# Allegro board HI3516APERB_VER_B_PCB.brd (continued)
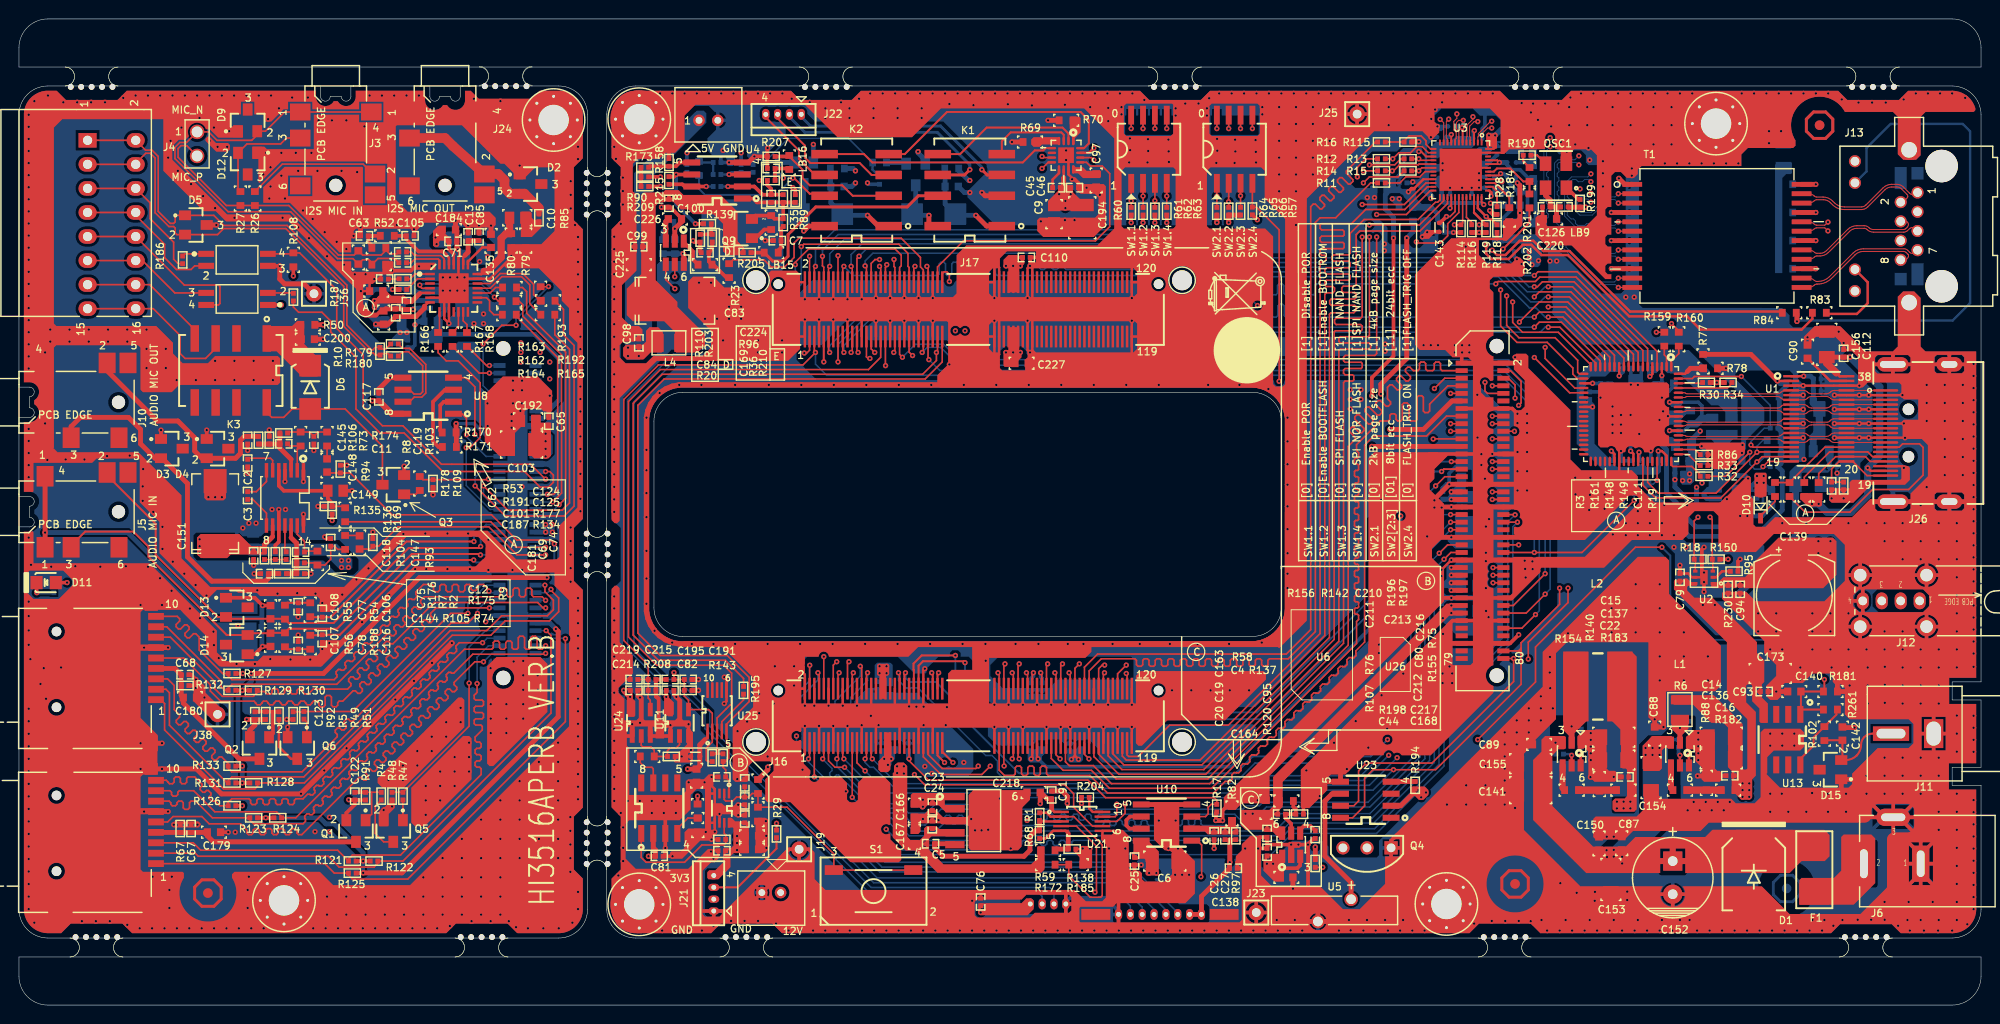
[diagram p0: board, top side]
## Copper pours and planes (outline as drawn; the poured copper is in the pictures) (continued)
3V3 on TOP (solid shape): 133.48,13.05 132.46,13.05 131.32,14.19 131.32,15.33 132.08,15.33 132.08,15.72 131.7,15.72 131.7,15.33 131.32,15.33 131.44,15.46 131.44,15.97 133.48,15.97
3V3 on TOP (solid shape): 91.95,26.26 92.08,26.26 92.2,26.13 92.2,25.88 91.95,25.62 91.95,24.86 91.69,24.61 90.93,24.61 90.68,24.86 90.68,25.75 91.19,26.26 91.31,26.26 91.31,28.8 91.95,28.8
3V3 on TOP (solid shape): 148.72,22.7 148.72,22.19 148.21,21.68 147.7,21.68 147.32,22.07 147.19,22.07 146.81,22.45 147.7,22.45 147.7,22.83 147.32,22.83 147.32,22.45 146.81,22.45 146.81,22.95 146.94,23.08 148.34,23.08
3V3 on TOP (solid shape): 107.06,11.02 107.06,10.13 106.43,9.49 101.47,9.49 101.22,9.75 101.22,10.13 101.85,10.13 101.85,10.51 101.47,10.51 101.47,10.13 101.22,10.13 101.22,10.51 101.45,10.74 102.03,10.74 102.03,10.76 105.79,10.76 106.3,11.27 106.81,11.27
3V3 on TOP (solid shape): 64.74,33.39 64.74,32.76 64.77,32.73 64.77,32.35 65.02,32.1 65.02,30.57 64.9,30.45 64.26,30.45 64.14,30.57 64.14,32.48 63.75,32.86 64.52,32.86 64.52,33.24 64.14,33.24 64.14,32.86 63.75,32.86 63.63,32.99 63.63,33.37 63.75,33.5 64.64,33.5
3V3 on TOP (solid shape): 170.69,36.8 170.69,20.67 170.43,20.41 168.4,20.41 168.15,20.67 168.15,21.56 168.4,21.81 169.42,21.81 169.67,22.07 169.67,23.72 170.31,23.72 170.31,24.48 169.93,24.48 169.93,23.72 169.67,23.72 169.67,24.86 169.54,24.99 169.21,24.99 169.16,25.04 169.04,25.04 169.04,29.05 167.64,30.45 167.64,37.05 167.89,37.31 170.18,37.31
3V3 on TOP (solid shape): 120.27,16.22 120.27,13.81 120.14,13.68 119,13.68 118.87,13.81 118.87,14.44 118.89,14.46 118.93,14.52 118.96,14.58 118.98,14.64 118.99,14.7 119,14.77 119,14.83 118.99,14.9 118.98,14.96 118.96,15.03 118.93,15.09 118.89,15.14 118.87,15.17 118.87,15.33 118.75,15.46 118.16,15.46 118.06,15.36 117.55,15.36 117.45,15.46 117.45,15.72 118.11,15.72 118.11,15.97 117.73,15.97 117.73,15.72 117.45,15.72 117.45,16.07 117.6,16.22 117.6,17.62 118.87,17.62
3V3 on TOP (solid shape): 75.56,19.4 76.83,19.4 77.01,19.22 77.01,16.2 76.86,16.05 75.4,16.05 75.07,15.72 75.07,14.56 73.79,13.28 72.77,13.28 72.63,13.42 72.63,14.03 72.85,14.24 73.48,14.24 74.32,15.08 74.32,16.22 74.55,16.22 74.55,15.97 74.93,15.97 74.93,16.35 74.68,16.35 74.68,16.22 74.32,16.22 74.32,16.52 74.51,16.52 74.54,16.55 75.11,16.55 75.39,16.83 75.39,18.69 75.31,18.76 74.85,18.76 74.85,18.89 76.71,18.89 76.71,19.14 76.2,19.14 76.2,18.89 74.85,18.89 74.85,19.78 75.18,19.78
3V3 on BOTTOM (solid shape): 160.53,81.12 160.53,78.2 160.27,77.95 159.51,77.95 159.13,78.33 159.13,79.98 158.62,80.49 155.45,80.49 155.45,81.37 160.27,81.37
3V3 on BOTTOM (solid shape): 176.78,57.5 176.78,55.34 176.4,54.96 175.51,54.96 175.39,55.09 175.39,56.36 175.77,56.36 175.9,56.48 175.9,57.88 176.4,57.88
3V3 on BOTTOM (solid shape): 92.71,26.76 92.46,26.51 92.46,26 92.08,25.62 92.08,25.37 91.82,25.11 91.57,25.11 90.81,25.88 90.81,26.89 90.93,27.02 91.57,27.02 91.82,27.27 92.71,27.27
3V3 on BOTTOM (solid shape): 184.28,55.21 184.66,54.83 185.29,54.83 185.29,54.2 180.72,54.2 180.72,54.45 183.77,54.45 183.77,54.7 183.51,54.7 183.51,54.45 183.26,54.45 183.26,54.7 183.01,54.7 183.01,54.45 180.72,54.45 180.72,54.83 180.85,54.96 182.63,54.96 183.13,55.47 183.13,55.97 183.26,56.1 184.28,56.1
3V3 on BOTTOM (solid shape): 153.92,45.94 153.16,45.94 152.65,45.43 152.65,43.78 152.53,43.66 151.13,43.66 150.72,44.06 149.91,44.06 149.86,44.11 149.86,44.65 150.25,44.65 150.62,45.03 150.62,45.92 150.63,45.97 150.62,46.02 150.62,46.35 150.75,46.48 151.05,46.48 151.1,46.47 151.16,46.47 151.4,46.47 151.76,46.83 153.92,46.83
3V3 on POWER5: 68.71,8.61 68.45,8.86 68.45,11.78 66.67,13.56 64.29,13.56 63.91,13.94 63.91,20.23 63.55,20.59 63.55,44.13 63.92,44.5 63.92,50.7 63.55,51.07 63.55,82.17 63.95,82.57 63.95,88.86 63.55,89.26 63.55,91.07 64.14,91.66 66.29,91.66 67.44,92.8 67.44,94.91 68.07,95.55 81.54,95.55 82,95.09 88.35,95.09 88.81,95.55 118.5,95.55 118.95,95.09 125.18,95.09 125.64,95.55 150.96,95.55 151.24,95.82 157.5,95.82 158.23,95.09 162.06,95.09 162.52,95.55 169.22,95.55 169.93,94.84 169.93,73.59 170.9,72.61 183.48,72.61 183.49,72.6 189.81,72.6 194.4,68.01 194.44,68.01 195.94,66.52 204.34,66.52 205.51,65.35 205.51,10.13 205.06,9.05 203.98,8.61 198.33,8.61 197.95,8.98 191.65,8.98 191.27,8.61 160.23,8.61 159.85,8.98 153.55,8.98 153.17,8.61 125.6,8.61 125.6,10 124.97,10.64 115.7,10.64 115.06,10 115.06,8.61 80.22,8.61 79.84,8.98 73.54,8.98 73.16,8.61 ; 6 cut-outs
3V3_1V8_RGMII_IO on BOTTOM (solid shape): 108.33,26.64 107.95,26.26 107.95,25.88 107.7,25.62 106.68,25.62 106.43,25.88 106.43,26.89 106.55,27.02 107.31,27.02 107.57,27.27 108.33,27.27
3V3_1V8_RGMII_IO on BOTTOM (solid shape): 148.08,90.39 148.08,90.14 147.96,90.01 146.43,90.01 146.3,89.88 146.3,87.72 145.8,87.22 145.8,86.33 145.92,86.2 147.19,86.2 147.45,85.95 147.45,85.18 148.03,84.6 148.92,84.6 149,84.52 149,83.99 148.92,83.91 146.69,83.91 146.69,84.78 146.16,85.31 146.15,85.34 146.12,85.4 146.09,85.46 146.05,85.51 146,85.56 145.94,85.6 145.88,85.64 145.82,85.66 145.79,85.67 145.72,85.74 143.99,85.74 143.99,86.45 145.54,86.45 145.54,86.71 145.29,86.71 145.29,86.45 143.99,86.45 143.99,86.84 143.87,86.96 145.54,86.96 145.54,87.22 145.29,87.22 145.29,86.96 143.13,86.96 143,87.09 143,87.34 143.13,87.47 145.16,87.47 145.41,87.72 146.05,87.72 146.05,87.98 145.8,87.98 145.8,87.72 145.41,87.72 145.54,87.85 145.54,88.23 146.05,88.23 146.05,88.49 145.8,88.49 145.8,88.23 145.54,88.23 145.54,88.99 146.05,88.99 146.05,89.25 145.8,89.25 145.8,88.99 145.54,88.99 145.54,89.5 146.05,89.5 146.05,89.76 145.8,89.76 145.8,89.5 145.54,89.5 145.54,90.01 146.05,90.52 147.96,90.52
3V3_C on TOP (solid shape): 55.04,61.51 55.35,61.51 56.01,61.51 56.01,61.44 56.13,61.31 56.13,58.01 55.88,57.75 54.36,57.75 54.1,58.01 54.05,58.01 54.05,62.35 55.04,62.35
3V3_C on BOTTOM (solid shape): 40.89,71.6 41.27,71.21 41.27,70.07 40.51,70.07 40.13,69.69 39.37,69.69 39.37,70.45 39.88,70.96 39.88,72.74 40.89,72.74
3V3_C on BOTTOM (solid shape): 56.31,60.17 56.31,58.21 55.91,57.8 53.87,57.8 53.87,58.21 55.14,58.21 55.14,58.49 53.87,58.49 53.87,59 55.14,59 55.14,59.3 53.87,59.3 53.87,59.81 55.14,59.81 55.14,60.09 53.87,60.09 53.87,60.55 55.93,60.55
3V3_C on BOTTOM (solid shape): 47.75,81.5 47.75,81.12 48.01,80.87 48.9,80.87 49.78,79.98 49.78,78.45 49.53,78.2 48.51,78.2 48.26,78.45 48.26,79.85 47.62,80.49 46.99,80.49 46.86,80.61 46.86,81.37 47.12,81.63 47.62,81.63
3V3_C on POWER5: 3.06,8.61 1.98,9.06 1.54,10.14 1.54,94.03 1.98,95.11 3.06,95.55 4.01,95.55 4.47,95.09 10.75,95.09 11.22,95.55 41.83,95.55 42.49,94.07 44.02,93.54 44.51,93.63 44.96,93.85 45.41,93.63 45.89,93.54 47.25,93.92 48.03,95.09 52.7,95.09 52.96,94.84 52.96,92.42 55.12,90.26 57.78,90.26 58.04,90.01 58.04,88.74 58.09,88.74 58.09,82.62 58.48,82.23 58.48,51.05 58.08,50.65 58.08,44.5 58.48,44.1 58.48,20.61 58.05,20.19 58.05,13.99 58.48,13.56 58.48,10.14 58.03,9.06 56.96,8.61 52.28,8.61 51.91,8.98 45.6,8.98 45.23,8.61 32.26,8.61 30.97,9.9 30.97,11.02 27.84,14.06 24.97,10.76 24.97,10.09 23.5,8.61 11.64,8.61 11.27,8.98 4.96,8.98 4.59,8.61
3V3A_AK7756EN on TOP (solid shape): 44.96,81.5 45.59,80.87 45.59,80.49 45.47,80.36 45.21,80.36 44.83,80.74 44.45,80.74 44.32,80.61 44.32,80.23 44.2,80.1 43.81,80.1 43.69,80.23 43.69,81.76 44.2,82.26 44.96,82.26
3V3A_AK7756EN on BOTTOM (solid shape): 45.97,81.37 45.97,80.36 45.59,79.98 43.94,79.98 43.69,80.23 43.69,81.12 43.94,81.37 44.83,81.37 45.09,81.63 45.72,81.63
5V0 on TOP (solid shape): 67.94,71.09 67.94,69.06 67.82,68.93 66.65,68.93 65.9,68.18 64.12,68.18 63.75,68.55 63.75,69.44 64.05,69.74 65.02,69.74 65.02,69.06 65.79,69.06 65.79,69.74 65.84,69.74 66.17,70.07 66.17,71.21 66.55,71.6 67.44,71.6
5V0 on TOP (solid shape): 99.77,21.66 97.69,21.66 97.69,21.1 99.77,21.1 99.77,20.36 97.79,20.36 97.05,21.1 95.86,21.1 95.43,20.67 95.2,20.67 95.01,20.86 94.17,20.86 94.11,20.92 94.11,21.43 96.77,21.43 96.77,21.68 96.52,21.68 96.52,21.43 96.27,21.43 96.27,21.68 96.01,21.68 96.01,21.43 94.11,21.43 94.11,22.19 94.31,22.4 99.77,22.4
5V0 on TOP (solid shape): 176.4,44.67 177.04,44.67 177.04,44.29 176.15,44.29 176.02,44.16 176.02,43.78 176.78,43.02 178.69,43.02 183.39,38.32 183.39,37.18 184.15,36.42 184.15,34.13 183.9,33.88 183.9,33.5 183.26,33.5 183.26,32.73 183.9,32.73 183.9,32.48 184.53,31.84 184.53,29.81 183.77,29.81 183.64,29.94 183.64,31.33 182.88,32.1 182.88,33.75 182.75,33.88 182.37,33.88 182.25,33.75 182.25,31.97 183.26,30.96 183.26,24.22 182.88,23.84 182.88,21.94 182.63,21.68 181.74,21.68 181.1,22.32 180.72,22.32 180.72,23.84 181.23,23.84 181.23,24.1 180.97,24.1 180.97,23.84 180.72,23.84 180.72,24.35 181.23,24.35 181.23,24.61 180.97,24.61 180.97,24.35 180.72,24.35 180.72,24.73 180.34,25.11 180.34,29.3 179.83,29.81 178.56,29.81 176.66,31.72 174.62,31.72 174.37,31.97 174.37,32.61 174.5,32.73 178.82,32.73 181.86,29.69 181.86,24.99 181.99,24.86 182.25,24.86 182.37,24.99 182.37,30.19 180.21,32.35 180.21,38.32 174.62,43.91 174.62,44.8 174.75,44.93 174.88,44.93 174.88,44.29 175.64,44.29 175.64,45.05 176.02,45.05
5V0 on BOTTOM (solid shape): 72.52,94.2 72.52,93.18 66.81,87.47 66.81,69.44 65.53,68.17 64.14,68.17 63.94,68.36 63.94,78.78 64.89,79.73 64.89,87.85 71.5,94.46 72.25,94.46
5V0 on BOTTOM (solid shape): 191.26,56.61 190.88,56.23 188.21,56.23 188.09,56.1 188.09,54.32 187.96,54.2 186.82,54.2 186.82,56.36 186.94,56.48 190.88,56.48 190.88,56.86 190.63,56.86 190.63,56.48 186.94,56.48 187.5,57.04 191.26,57.04
5V0 on BOTTOM (solid shape): 152.65,54.32 152.78,54.2 154.05,54.2 154.05,53.18 153.92,53.05 151.42,53.05 151.26,53.12 151.08,53.13 151.05,53.16 149.99,53.16 149.99,53.69 150.75,53.69 150.88,53.82 150.88,54.41 150.89,54.45 150.94,54.47 151.09,54.5 151.23,54.57 151.24,54.58 151.38,54.58 151.76,54.96 151.76,56.1 152.65,56.1
5V0 on ART04 (solid shape): outline of 1513 points within 63.5,14.19 183.77,70.2
5V0_C on BOTTOM (solid shape): 22.35,48.74 33.53,48.74 35.18,47.08 35.18,46.2 34.92,45.94 33.91,45.94 32.38,47.47 24.26,47.47 24,47.72 21.72,47.72 21.34,48.1 21.34,48.86 21.46,48.99 22.1,48.99
5V0_C on ART03 (solid shape): 56.64,50.77 56.64,49.75 56.52,49.62 55.24,49.62 54.48,50.39 40.39,50.39 35.94,45.94 33.91,45.94 33.76,46.09 33.76,47.08 35.46,48.79 37.01,48.79 40.32,52.1 55.31,52.1
5V0_HDMI on TOP (solid shape): 190.25,53.94 190.25,52.8 190.12,52.67 188.72,52.67 187.96,53.43 187.96,53.94 188.09,54.07 190.12,54.07
5V0_USB on TOP (solid shape): 191.77,48.99 191.77,45.43 190.37,44.04 181.99,44.04 181.99,44.8 181.23,44.8 181.23,44.04 180.72,44.04 180.72,44.8 179.96,44.8 179.96,44.04 178.69,44.04 178.56,44.16 178.56,44.67 179.32,44.67 179.83,45.18 182.12,45.18 182.63,45.69 182.63,46.32 185.67,49.37 191.39,49.37
5V0_USB on ART03 (solid shape): 201.42,43.28 201.42,42 201.22,41.8 200,41.8 199.65,42.14 199.65,42.75 195.06,47.34 189.48,47.34 189.23,47.59 189.23,49.12 189.61,49.5 195.21,49.5
12V0 on TOP (solid shape): 174.62,28.16 174.62,27.4 174.37,27.15 173.61,27.15 173.35,26.89 173.35,24.99 173.1,24.73 171.58,24.73 171.32,24.99 171.32,27.4 172.34,28.42 174.37,28.42
12V0 on TOP (solid shape): 163.19,28.29 163.19,27.15 163.07,27.02 162.43,27.02 161.8,26.38 161.8,21.02 166.09,16.73 169.54,16.73 170.56,17.75 177.93,17.75 178.69,18.51 181.74,18.51 187.18,18.51 187.19,18.5 190.49,18.5 191.01,17.99 191.01,15.69 190.53,15.21 188.09,15.21 186.82,13.94 183.39,13.94 183.38,13.95 183.36,13.94 175.82,13.94 175.82,16.53 173.18,16.53 173.18,13.94 165.38,13.94 159.77,19.55 159.77,25.88 160.66,26.76 160.66,28.03 161.04,28.42 163.07,28.42
12V0 on BOTTOM (solid shape): 173.99,27.27 173.99,19.14 169.54,14.7 167.39,14.7 167.13,14.95 167.13,16.48 167.39,16.73 168.15,16.73 171.32,19.91 171.32,27.27 171.58,27.53 173.74,27.53
12V0 on ART04 (solid shape): 169.54,16.35 169.54,14.95 169.29,14.7 148.84,14.7 146.18,12.03 140.88,12.03 140.87,12.04 140.56,12.09 140.25,12.04 140.24,12.03 136.65,12.03 135.76,12.92 134.24,12.92 132.97,11.65 114.18,11.65 114.09,11.7 114.06,11.81 113.54,12.45 113.02,11.81 112.99,11.7 112.89,11.65 81.69,11.65 81.28,11.25 80.09,11.25 79.78,11.55 79.78,12.21 81,13.43 119.09,13.43 119.1,13.43 119.25,13.4 119.41,13.43 119.42,13.43 119.85,13.43 119.86,13.43 120.02,13.4 120.17,13.43 120.18,13.43 121.58,13.43 121.96,13.23 122.36,13.37 122.73,13.23 123.1,13.37 123.51,13.23 123.89,13.43 124.19,13.43 124.21,13.39 124.71,13.02 125.22,13.39 125.23,13.43 132.21,13.43 133.48,14.7 136.53,14.7 137.41,13.81 144.78,13.81 147.57,16.6 169.29,16.6
DVDD3318_SENSOR on TOP (solid shape): 91.82,35.91 91.82,35.02 91.67,34.87 91.49,34.87 91.49,32.35 90.81,32.35 90.81,34.77 90.55,35.02 90.55,35.91 90.68,36.04 91.69,36.04
DVDD3318_SENSOR on TOP (solid shape): 93.73,25.24 93.73,17.77 94.08,17.42 95.05,17.42 95.5,17.87 95.5,18.26 96.77,18.26 96.77,18.51 96.01,18.51 96.01,18.26 95.5,18.26 95.5,18.66 95.73,18.89 96.8,18.89 97.1,18.59 99.75,18.59 99.75,17.85 99.72,17.82 96.29,17.82 96.04,17.57 96.04,16.38 97.55,14.87 106.79,14.87 107.44,15.51 107.44,16.73 108.2,16.73 108.2,14.32 107.86,13.98 96.91,13.98 94.56,16.33 93.57,16.33 93.19,16.71 95.71,16.71 95.71,16.96 95.43,16.96 95.43,16.71 93.19,16.71 92.76,17.14 95.71,17.14 95.71,17.39 95.43,17.39 95.43,17.14 92.76,17.14 92.2,17.7 92.2,24.48 92.33,24.61 92.33,25.24 92.71,25.62 93.34,25.62
DVDD3318_SENSOR on BOTTOM (solid shape): 92.2,35.91 92.2,33.93 90.3,33.93 90.3,34.26 90.93,34.26 90.93,34.51 90.55,34.51 90.55,34.26 90.3,34.26 90.3,35.91 90.55,36.16 91.95,36.16
DVDD3318_SENSOR on ART04 (solid shape): 91.82,36.04 91.82,31.84 93.6,30.07 93.6,26.21 93.54,26 93.6,25.8 93.6,24.22 93.34,23.97 92.46,23.97 92.2,24.22 92.2,25.66 92.42,26 92.2,26.35 92.2,29.43 90.42,31.21 90.42,31.43 90.43,31.44 90.43,31.79 90.42,31.8 90.42,36.04 90.55,36.16 91.69,36.16
GND on TOP (solid shape): 158.62,82.39 156.97,80.74 156.59,80.74 156.59,82.77 156.84,83.03 158.62,83.03
GND on TOP (solid shape): 78.99,19.53 78.99,16.35 78.74,16.1 77.98,16.1 77.72,16.35 77.72,19.53 77.98,19.78 78.74,19.78
GND on TOP (solid shape): 114.68,86.48 114.68,82.39 113.41,81.12 108.08,81.12 107.44,81.76 107.44,82.9 107.69,83.15 113.54,83.15 113.92,83.53 113.92,85.29 113.52,85.69 112.01,85.69 111.63,86.07 111.63,86.71 114.44,86.71
GND on TOP (solid shape): 113.23,16.68 113.23,14.55 113.13,14.45 112.01,14.45 111.91,14.55 111.91,15.61 111.4,16.12 111.89,16.12 111.89,16.38 111.66,16.38 111.66,16.12 111.4,16.12 111.3,16.22 111.3,16.58 111.89,16.58 112.12,16.81 113.11,16.81
GND on TOP (solid shape): 135.25,17.14 135.25,16.76 135.25,16.76 135.1,16.61 134.56,16.61 134.56,15.01 133.92,15.01 133.92,16.76 133.86,16.76 133.86,17.11 133.88,17.13 134.05,17.24 135.15,17.24
GND on TOP (solid shape): 167.51,28.8 167.51,24.99 167.77,24.73 168.4,24.73 168.66,24.48 168.66,23.84 168.4,23.59 166.24,23.59 165.61,24.22 165.61,26.76 165.23,27.15 164.72,27.15 164.47,27.4 164.47,28.42 165.1,29.05 167.26,29.05
GND on TOP (solid shape): 178.94,28.8 178.94,24.99 179.2,24.73 179.45,24.73 179.71,24.48 179.71,23.84 179.45,23.59 177.8,23.59 177.55,23.84 177.55,25.11 176.91,25.75 176.91,26.76 176.66,27.02 176.15,27.02 175.9,27.27 175.9,28.29 176.66,29.05 178.69,29.05
GND on TOP (solid shape): 71.12,28.8 71.12,25.88 70.87,25.62 69.22,25.62 69.09,25.75 69.09,25.88 70.87,25.88 70.87,26.13 70.61,26.13 70.61,25.88 69.6,25.88 69.6,26.26 69.34,26.26 69.34,25.88 69.09,25.88 69.09,26.38 70.87,26.38 70.87,26.64 70.61,26.64 70.61,26.38 69.09,26.38 69.09,26.51 69.47,26.51 70.48,27.53 70.48,29.05 70.87,29.05
GND on TOP (solid shape): 182.12,59.28 182.12,58.55 182.1,58.51 182.09,58.43 182.09,58.36 180.34,56.61 178.82,56.61 178.56,56.86 178.05,56.86 178.05,57.12 178.56,57.12 178.56,57.37 178.31,57.37 178.31,57.12 178.05,57.12 178.05,57.75 178.56,57.75 178.56,58.01 178.31,58.01 178.31,57.75 178.05,57.75 178.05,58.26 178.56,58.26 178.56,58.51 178.31,58.51 178.31,58.26 178.05,58.26 178.05,58.64 177.93,58.77 177.42,58.77 177.29,58.9 177.29,59.28 177.42,59.4 181.99,59.4
GND on TOP (solid shape): 199.03,56.99 199.07,56.98 199.16,56.95 199.25,56.94 199.33,56.93 199.52,56.74 199.52,55.47 199.01,54.96 195.45,54.96 193.55,53.05 191.26,53.05 191.01,53.31 191.01,53.82 191.13,53.94 191.13,54.07 192.91,54.07 192.91,54.32 192.66,54.32 192.66,54.07 192.41,54.07 192.41,54.32 192.15,54.32 192.15,54.07 191.64,54.07 191.64,54.32 191.39,54.32 191.39,54.07 191.13,54.07 191.13,54.45 191.26,54.58 193.17,54.58 193.17,55.21 193.42,55.47 198.5,55.47 198.63,55.59 198.63,56.61 199.01,56.99
GND on TOP (solid shape): 106.68,22.45 106.68,21.68 105.79,20.8 105.79,16.73 105.41,16.35 100.46,16.35 100.2,16.6 100.2,18.89 100,19.09 97.33,19.09 97.23,19.2 95.17,19.2 95.12,19.14 95.12,18.31 94.89,18.08 94.16,18.08 94.11,18.13 94.11,19.53 96.77,19.53 96.77,19.78 96.52,19.78 96.52,19.53 96.27,19.53 96.27,19.78 96.01,19.78 96.01,19.53 94.11,19.53 94.11,20.16 96.65,20.16 96.65,20.41 96.14,20.41 96.14,20.16 94.11,20.16 94.16,20.21 95.58,20.21 96.14,20.77 96.57,20.77 97.49,19.86 100.03,19.86 100.2,20.03 100.2,22.19 100.71,22.7 106.43,22.7
GND on TOP (solid shape): 149.73,58.26 150.75,58.26 150.75,58.01 149.35,56.61 149.35,55.59 148.84,55.09 148.84,54.45 150.37,52.93 150.37,49.5 149.1,48.23 149.1,47.21 150.37,45.94 150.37,42.64 131.95,24.22 131.95,21.3 129.03,21.3 128.4,20.67 127.13,20.67 127.13,21.94 142.37,37.18 142.37,38.13 142.4,38.16 142.4,51.66 145.26,51.66 145.27,51.59 145.28,51.53 145.3,51.46 145.33,51.4 145.36,51.35 145.4,51.3 145.45,51.25 145.5,51.21 145.56,51.18 145.62,51.15 145.68,51.13 145.75,51.12 145.81,51.12 145.88,51.13 145.94,51.14 146,51.16 146.06,51.19 146.12,51.23 146.17,51.27 146.21,51.32 146.25,51.38 146.28,51.43 146.31,51.49 146.32,51.56 146.33,51.62 146.33,51.69 146.32,51.76 146.31,51.82 146.28,51.88 146.25,51.94 146.21,51.99 146.17,52.04 146.12,52.08 146.06,52.12 146,52.15 145.94,52.17 145.88,52.19 145.81,52.19 145.75,52.19 145.68,52.18 145.62,52.16 145.56,52.14 145.5,52.1 145.45,52.06 145.4,52.02 145.36,51.97 145.33,51.91 145.3,51.85 145.28,51.79 145.27,51.72 145.26,51.66 142.4,51.66 142.4,57.79 143,58.39 149.73,58.39
GND on TOP (solid shape): 174.12,65.5 174.12,64.2 174.06,64.2 173.63,63.67 174.06,63.14 174.12,63.14 174.12,61.2 174.06,61.2 173.63,60.67 174.06,60.14 174.12,60.14 174.12,59.02 173.14,59.02 173.13,59.03 172.66,58.94 172.44,58.52 172.44,58.49 172.34,58.39 171.48,58.39 171.47,58.44 171.16,58.87 170.64,58.83 170.55,58.81 170.47,58.85 169.87,59.02 169.52,58.51 169.48,58.43 169.39,58.39 168.78,58.39 168.54,58.63 168.54,58.64 168.17,59.03 167.65,58.9 166.88,58.9 166.62,59.15 166.62,65.5 166.88,65.75 173.86,65.75
GND on TOP (solid shape): outline of 512 points within 135.25,20.8 158.88,80.99
GND on TOP (solid shape): outline of 1523 points within 62.53,15.08 206.44,96.56
GND on TOP (solid shape): outline of 1718 points within 62.53,7.59 206.52,75.38
GND on BOTTOM (solid shape): 171.32,65.63 170.94,65.25 169.93,65.25 169.8,65.37 169.8,66.52 169.93,66.64 171.32,66.64
GND on BOTTOM (solid shape): 168.99,63.11 170.56,63.11 170.87,62.81 170.87,62.2 169.29,60.62 169.29,60.29 169.16,60.17 168.02,60.17 166.62,61.56 166.62,64.36 167.74,64.36
GND on BOTTOM (solid shape): 146.43,40.86 146.43,30.7 144.29,28.56 144.27,28.55 144.02,28.41 143.88,28.16 143.88,28.15 142.42,26.69 133.43,26.69 132.84,27.27 132.84,28.92 145.16,41.24 146.05,41.24
GND on BOTTOM (solid shape): 173.61,63.98 173.48,63.85 173.48,63.47 174.14,62.81 175.67,62.81 176.02,63.16 176.78,63.16 176.83,63.11 176.83,62.45 176.78,62.4 175.92,62.4 175.41,61.89 175.41,61.28 173.89,61.28 173.61,61.56 172.72,61.56 172.72,63.98 173.1,64.36 173.61,64.36
GND on BOTTOM (solid shape): outline of 117 points within 89.28,68.55 154.56,72.59
GND on BOTTOM (solid shape): outline of 127 points within 102.23,25.62 130.56,29.66
GND on BOTTOM (solid shape): outline of 157 points within 82.55,24.1 100.71,33.5
GND on BOTTOM (solid shape): outline of 1453 points within 65.36,27.4 159.43,76.55
GND on BOTTOM (solid shape): outline of 5750 points within 62.53,7.59 206.52,96.56
GND on ART03 (solid shape): 82.04,70.45 82.04,69.92 80.65,68.52 70.13,68.52 69.85,68.8 69.85,69.34 71.13,70.62 81.87,70.62
GND on ART03 (solid shape): 131.7,33.5 131.7,32.99 131.44,32.73 121.54,32.73 121.28,32.99 121.28,33.5 121.54,33.75 131.44,33.75
GND on ART03 (solid shape): 110.49,31.97 110.49,31.46 111.51,30.45 117.86,30.45 118.11,30.19 118.11,29.3 117.86,29.05 108.33,29.05 107.19,30.19 107.19,31.97 107.44,32.23 110.24,32.23
GND on ART03 (solid shape): outline of 90 points within 127.38,19.53 135.38,24.35
GND on ART03 (solid shape): outline of 14095 points within 62.53,7.59 206.52,96.56
GND on ART04 (solid shape): 127.51,19.27 127.51,18.51 127.25,18.26 120.14,18.26 119.89,18.51 119.89,19.27 120.14,19.53 127.25,19.53
GND on ART04 (solid shape): 155.19,47.72 155.19,46.67 154.93,46.29 155.06,45.85 155.08,45.8 154.93,45.41 155.07,45.01 155.06,44.97 154.91,44.62 155.03,44.26 155.03,43.5 154.43,42.89 150.88,42.89 150.88,43.16 150.92,43.25 151.03,43.28 151.6,43.54 151.53,44.16 151.52,44.2 151.67,44.6 151.52,45 151.67,45.4 151.52,45.8 151.53,45.85 151.6,46.47 151.03,46.73 150.92,46.75 150.88,46.85 150.88,46.92 150.88,46.93 150.9,47.08 150.88,47.24 150.88,47.25 150.88,47.72 151.38,48.23 154.69,48.23
GND on ART04 (solid shape): 82.89,36.38 83,36.32 83,36.19 83.02,35.56 83.62,35.39 83.75,35.36 83.79,35.24 84.19,34.58 84.83,35 84.92,35.1 85.04,35.07 85.6,34.51 85.6,31.72 85.09,31.21 84.07,31.21 83.06,30.19 83.06,29.15 82.88,28.97 80.67,28.97 79.28,30.37 79.28,32.77 79.32,32.86 79.42,32.89 80.88,33.22 79.42,33.55 79.32,33.58 79.28,33.67 79.28,34.94 78.05,36.17 78.02,36.31 78.14,36.38
GND on ART04 (solid shape): outline of 230 points within 96.27,72.06 130.68,82.01
GND on ART04 (solid shape): outline of 812 points within 130.56,20.29 180.85,42.89
GND on ART04 (solid shape): outline of 1412 points within 68.07,18.15 155.67,42.13
GND on ART04 (solid shape): outline of 9882 points within 62.53,7.59 206.52,96.56
GND on GND02: outline of 85 points within 62.53,7.59 206.52,96.56 ; 2 cut-outs
PGND on TOP (solid shape): 39.5,77.18 38.35,77.18 38.35,78.57 39.5,78.57
PGND on TOP (solid shape): 21.84,56.36 21.84,53.56 21.59,53.31 19.81,53.31 19.56,53.56 19.56,56.36 19.68,56.48 21.72,56.48
PGND on TOP (solid shape): 20.79,91.05 22.05,91.05 22.25,90.85 22.25,90.37 22.02,90.14 20.83,90.14 19.68,91.28 19.68,91.51 19.89,91.71 20.12,91.71 20.12,91.71
PGND on TOP (solid shape): 47.12,28.42 47.5,28.42 47.75,28.16 47.75,23.84 42.8,18.89 41.78,18.89 41.4,19.27 41.4,22.96 46.86,28.42
PGND on TOP (solid shape): 39.62,20.8 38.99,20.16 38.99,19.02 38.86,18.89 38.1,18.89 37.97,19.02 37.97,20.41 38.48,20.92 38.61,20.92 39.12,21.43 39.12,21.81 39.62,21.81
PGND on TOP (solid shape): 19.68,33.62 19.68,32.99 21.59,31.08 21.59,30.45 21.21,30.07 20.45,30.07 18.41,32.1 18.41,34.64 18.67,34.64
PGND on TOP (solid shape): 43.94,77.67 41.55,77.67 41.47,77.85 41.55,78.03 41.92,78.4 43.94,78.4
PGND on TOP (solid shape): 56.26,64.86 56.26,62.71 55.37,62.71 55.12,62.96 53.59,62.96 53.34,62.71 53.34,61.44 52.32,60.42 52.32,58.01 50.67,58.01 49.15,59.53 49.15,64.48 51.05,66.39 54.74,66.39
PGND on TOP (solid shape): 19.18,19.14 19.18,19.02 18.92,18.76 16.38,18.76 16.26,18.89 18.54,18.89 18.54,19.14 18.29,19.14 18.29,18.89 18.03,18.89 18.03,19.14 17.78,19.14 17.78,18.89 17.4,18.89 17.4,19.14 17.14,19.14 17.14,18.89 16.89,18.89 16.89,19.14 16.64,19.14 16.64,18.89 16.26,18.89 16.13,19.02 16.13,19.14 16.38,19.4 18.92,19.4
PGND on TOP (solid shape): 46.99,32.23 46.99,29.35 40.59,22.95 38.35,22.95 37.85,23.46 37.85,23.97 37.93,24.05 37.93,24.05 38.04,24.14 38.13,24.25 38.13,24.25 38.86,24.99 38.87,24.99 38.97,25.07 39.06,25.18 39.06,25.19 39.79,25.92 39.8,25.92 39.91,26.01 39.99,26.12 40,26.12 40.73,26.85 40.73,26.86 40.84,26.94 40.93,27.05 40.93,27.06 41.66,27.79 41.67,27.79 41.78,27.88 41.86,27.98 41.87,27.99 42.6,28.72 42.6,28.73 42.71,28.81 42.8,28.92 42.8,28.93 43.53,29.66 43.54,29.66 43.64,29.75 43.73,29.85 43.73,29.86 44.47,30.59 44.47,30.59 44.58,30.68 44.66,30.79 44.67,30.79 45.4,31.52 45.41,31.53 45.51,31.61 45.6,31.72 45.6,31.73 46.35,32.48 46.74,32.48
PGND on TOP (solid shape): outline of 86 points within 49.4,25.24 55.75,36.77
PGND on TOP (solid shape): outline of 1158 points within 0.52,7.6 59.5,96.57
PGND on BOTTOM (solid shape): outline of 4722 points within 0.52,7.6 59.5,96.57
PGND on ART03 (solid shape): outline of 6089 points within 0.52,7.6 59.5,96.57
PGND on ART04 (solid shape): outline of 6302 points within 0.52,7.6 59.5,96.57
PGND on GND02: 3.06,7.6 1.26,8.34 0.52,10.14 0.52,30.18 0.51,30.19 0.52,30.21 0.52,48.87 0.52,48.9 0.52,94.03 1.26,95.83 3.06,96.57 3.98,96.57 4.95,95.6 10.41,95.6 11.39,96.57 42.85,96.57 42.85,95.56 43.18,94.82 43.94,94.55 44.41,94.7 44.75,95.05 45.17,95.05 45.51,94.7 45.97,94.55 46.74,94.82 47.07,95.56 47.07,96.56 47.68,96.56 48.51,95.73 54.1,95.73 54.95,96.57 56.96,96.57 58.75,95.83 59.5,94.03 59.5,89.44 58.55,88.49 58.55,82.9 59.5,81.95 59.5,51.34 58.55,50.39 58.55,44.8 59.5,43.85 59.5,20.86 58.55,19.91 58.55,14.32 59.5,13.37 59.5,10.14 58.75,8.34 56.96,7.6 52.57,7.6 51.56,8.6 46.1,8.6 45.09,7.6 11.93,7.6 10.92,8.6 5.46,8.6 4.45,7.6
